# KiCad board GanJing 65 rev 2 hotswap.kicad_pcb
title: GanJing 65 rev 2 hotswap; date: 2021-11-19; rev: 2; company: Mingze Jin
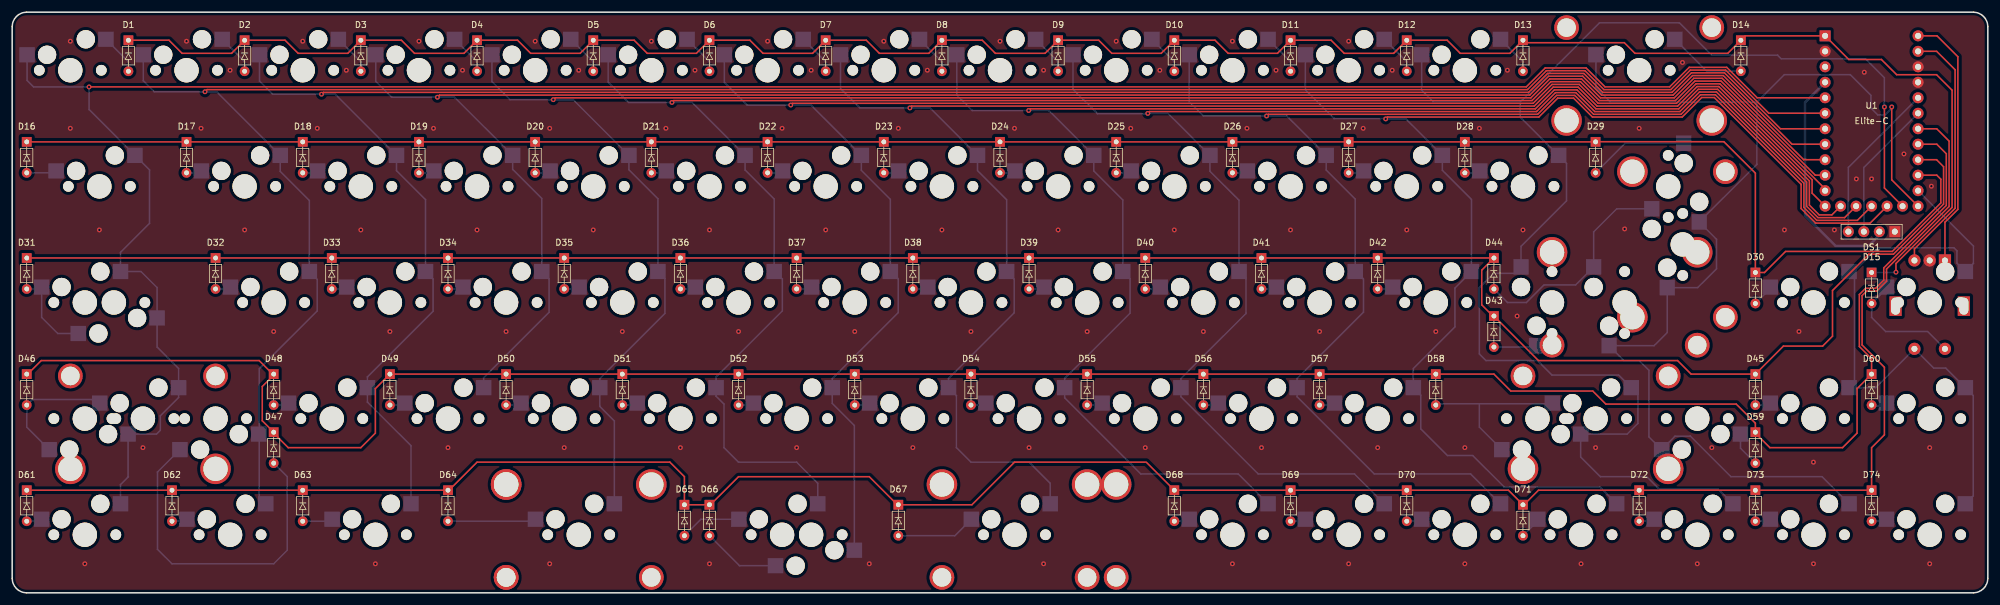
[diagram p0: board, top side]
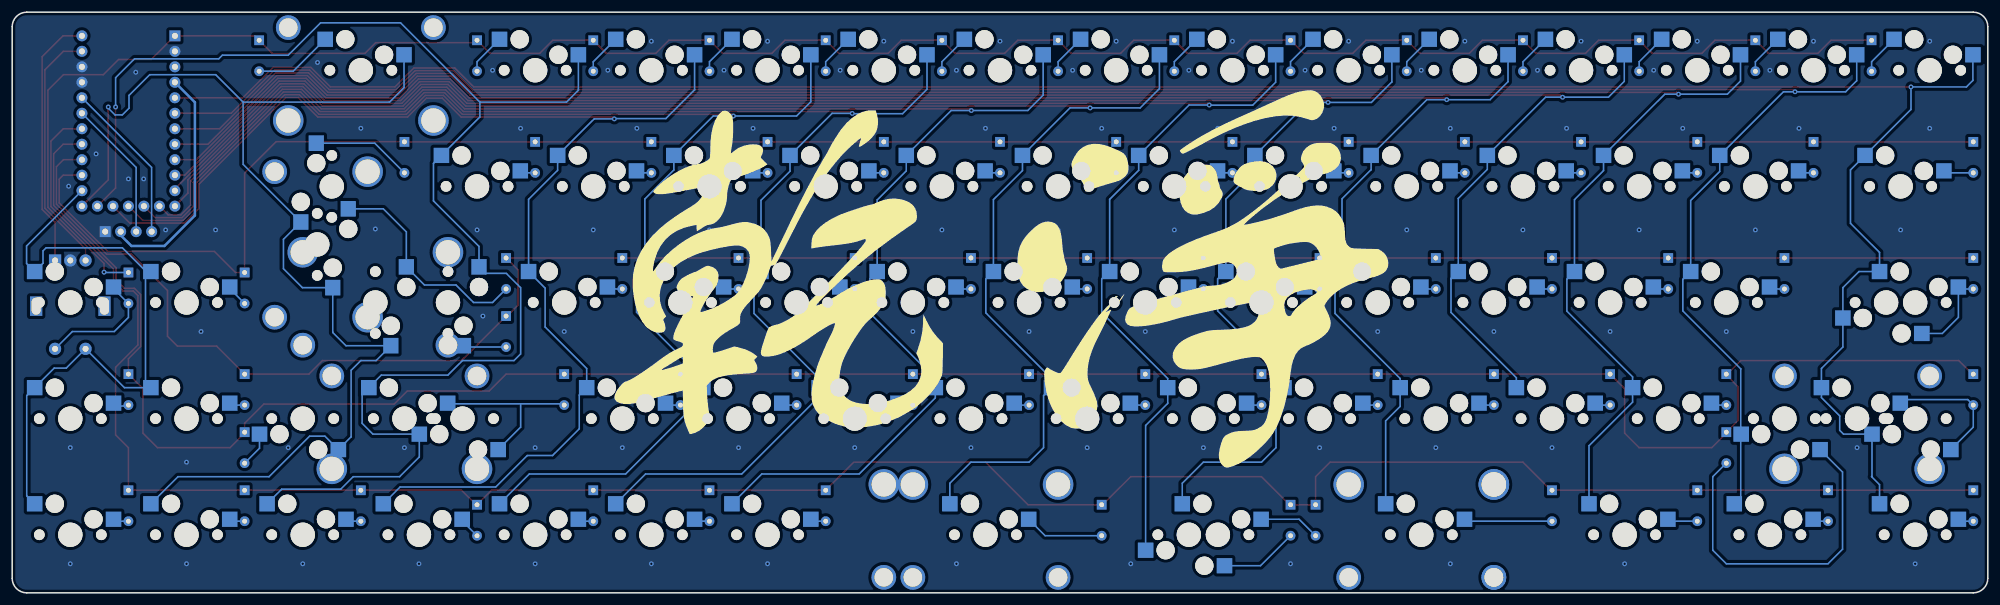
[diagram p1: board, bottom side, seen from below]

Outline 323.85 x 95.25 mm; copper layers: Top, Bottom. Coordinates in mm from the lower left corner of the outline.
Outline path: 0,92.87 0,2.38 arc(0.7,0.7) 2.38,0 321.47,0 arc(323.15,0.7) 323.85,2.38 323.85,92.87 arc(323.15,94.55) 321.47,95.25 2.38,95.25 arc(0.7,94.55) 0,92.87
Stack: Top 0.035mm / dielectric 1.51mm FR4 er 4.5 / Bottom 0.035mm

## Placement (name value [footprint] x y rotation side)
D1  -  [1N4148TR_diode]  19.05 88.11 0 top
D2  -  [1N4148TR_diode]  38.1 88.11 0 top
D3  -  [1N4148TR_diode]  57.15 88.11 0 top
D4  -  [1N4148TR_diode]  76.2 88.11 0 top
D5  -  [1N4148TR_diode]  95.25 88.11 0 top
D6  -  [1N4148TR_diode]  114.3 88.11 0 top
D7  -  [1N4148TR_diode]  133.35 88.11 0 top
D8  -  [1N4148TR_diode]  152.4 88.11 0 top
D9  -  [1N4148TR_diode]  171.45 88.11 0 top
D10  -  [1N4148TR_diode]  190.5 88.11 0 top
D11  -  [1N4148TR_diode]  209.55 88.11 0 top
D12  -  [1N4148TR_diode]  228.6 88.11 0 top
D13  -  [1N4148TR_diode]  247.65 88.11 0 top
D14  -  [1N4148TR_diode]  283.37 88.11 0 top
D15  -  [1N4148TR_diode]  304.8 50.01 0 top
D16  -  [1N4148TR_diode]  2.38 71.44 0 top
D17  -  [1N4148TR_diode]  28.57 71.44 0 top
D18  -  [1N4148TR_diode]  47.62 71.44 0 top
D19  -  [1N4148TR_diode]  66.68 71.44 0 top
D20  -  [1N4148TR_diode]  85.72 71.44 0 top
D21  -  [1N4148TR_diode]  104.78 71.44 0 top
D22  -  [1N4148TR_diode]  123.83 71.44 0 top
D23  -  [1N4148TR_diode]  142.88 71.44 0 top
D24  -  [1N4148TR_diode]  161.93 71.44 0 top
D25  -  [1N4148TR_diode]  180.97 71.44 0 top
D26  -  [1N4148TR_diode]  200.03 71.44 0 top
D27  -  [1N4148TR_diode]  219.08 71.44 0 top
D28  -  [1N4148TR_diode]  238.13 71.44 0 top
D29  -  [1N4148TR_diode]  259.56 71.44 0 top
D30  -  [1N4148TR_diode]  285.75 50.01 0 top
D31  -  [1N4148TR_diode]  2.38 52.39 0 top
D32  -  [1N4148TR_diode]  33.34 52.39 0 top
D33  -  [1N4148TR_diode]  52.39 52.39 0 top
D34  -  [1N4148TR_diode]  71.44 52.39 0 top
D35  -  [1N4148TR_diode]  90.49 52.39 0 top
D36  -  [1N4148TR_diode]  109.54 52.39 0 top
D37  -  [1N4148TR_diode]  128.59 52.39 0 top
D38  -  [1N4148TR_diode]  147.64 52.39 0 top
D39  -  [1N4148TR_diode]  166.69 52.39 0 top
D40  -  [1N4148TR_diode]  185.74 52.39 0 top
D41  -  [1N4148TR_diode]  204.79 52.39 0 top
D42  -  [1N4148TR_diode]  223.84 52.39 0 top
D43  -  [1N4148TR_diode]  242.89 42.86 0 top
D44  -  [1N4148TR_diode]  242.89 52.39 0 top
D45  -  [1N4148TR_diode]  285.75 33.34 0 top
D46  -  [1N4148TR_diode]  2.38 33.34 0 top
D47  -  [1N4148TR_diode]  42.86 23.81 0 top
D48  -  [1N4148TR_diode]  42.86 33.34 0 top
D49  -  [1N4148TR_diode]  61.91 33.34 0 top
D50  -  [1N4148TR_diode]  80.96 33.34 0 top
D51  -  [1N4148TR_diode]  100.01 33.34 0 top
D52  -  [1N4148TR_diode]  119.06 33.34 0 top
D53  -  [1N4148TR_diode]  138.11 33.34 0 top
D54  -  [1N4148TR_diode]  157.16 33.34 0 top
D55  -  [1N4148TR_diode]  176.21 33.34 0 top
D56  -  [1N4148TR_diode]  195.26 33.34 0 top
D57  -  [1N4148TR_diode]  214.31 33.34 0 top
D58  -  [1N4148TR_diode]  233.36 33.34 0 top
D59  -  [1N4148TR_diode]  285.75 23.81 0 top
D60  -  [1N4148TR_diode]  304.8 33.34 0 top
D61  -  [1N4148TR_diode]  2.38 14.29 0 top
D62  -  [1N4148TR_diode]  26.19 14.29 0 top
D63  -  [1N4148TR_diode]  47.62 14.29 0 top
D64  -  [1N4148TR_diode]  71.44 14.29 0 top
D65  -  [1N4148TR_diode]  110.19 11.91 0 top
D66  -  [1N4148TR_diode]  114.3 11.91 0 top
D67  -  [1N4148TR_diode]  145.26 11.91 0 top
D68  -  [1N4148TR_diode]  190.5 14.29 0 top
D69  -  [1N4148TR_diode]  209.55 14.29 0 top
D70  -  [1N4148TR_diode]  228.6 14.29 0 top
D71  -  [1N4148TR_diode]  247.65 11.91 0 top
D72  -  [1N4148TR_diode]  266.7 14.29 0 top
D73  -  [1N4148TR_diode]  285.75 14.29 0 top
D74  -  [1N4148TR_diode]  304.8 14.29 0 top
DS1  -  [SSD1306_128x64_OLED]  304.8 71.2 0 top
MX1  MX_1u_no_LED  [MX_1u_no_LED_hotswap_flipped_pins]  9.52 85.72 0 top
MX2  MX_1u_no_LED  [MX_1u_no_LED_hotswap_flipped_pins]  28.57 85.72 0 top
MX3  MX_1u_no_LED  [MX_1u_no_LED_hotswap_flipped_pins]  47.62 85.72 0 top
MX4  MX_1u_no_LED  [MX_1u_no_LED_hotswap_flipped_pins]  66.68 85.72 0 top
MX5  MX_1u_no_LED  [MX_1u_no_LED_hotswap_flipped_pins]  85.72 85.72 0 top
MX6  MX_1u_no_LED  [MX_1u_no_LED_hotswap_flipped_pins]  104.78 85.72 0 top
MX7  MX_1u_no_LED  [MX_1u_no_LED_hotswap_flipped_pins]  123.83 85.72 0 top
MX8  MX_1u_no_LED  [MX_1u_no_LED_hotswap_flipped_pins]  142.88 85.72 0 top
MX9  MX_1u_no_LED  [MX_1u_no_LED_hotswap_flipped_pins]  161.93 85.72 0 top
MX10  MX_1u_no_LED  [MX_1u_no_LED_hotswap_flipped_pins]  180.97 85.72 0 top
MX11  MX_1u_no_LED  [MX_1u_no_LED_hotswap_flipped_pins]  200.03 85.72 0 top
MX12  MX_1u_no_LED  [MX_1u_no_LED_hotswap_flipped_pins]  219.08 85.72 0 top
MX13  MX_1u_no_LED  [MX_1u_no_LED_hotswap_flipped_pins]  238.13 85.72 0 top
MX14  MX_2u_no_LED  [MX_2u_no_LED_hotswap]  266.7 85.72 0 top
MX15  MX_1u_no_LED  [MX_1u_no_LED_hotswap]  314.32 47.62 0 top
MX16  MX_1.5u_no_LED  [MX_1.5u_no_LED_hotswap]  14.29 66.67 0 top
MX17  MX_1u_no_LED  [MX_1u_no_LED_hotswap]  38.1 66.67 0 top
MX18  MX_1u_no_LED  [MX_1u_no_LED_hotswap]  57.15 66.67 0 top
MX19  MX_1u_no_LED  [MX_1u_no_LED_hotswap]  76.2 66.67 0 top
MX20  MX_1u_no_LED  [MX_1u_no_LED_hotswap]  95.25 66.67 0 top
MX21  MX_1u_no_LED  [MX_1u_no_LED_hotswap]  114.3 66.67 0 top
MX22  MX_1u_no_LED  [MX_1u_no_LED_hotswap]  133.35 66.67 0 top
MX23  MX_1u_no_LED  [MX_1u_no_LED_hotswap]  152.4 66.67 0 top
MX24  MX_1u_no_LED  [MX_1u_no_LED_hotswap]  171.45 66.67 0 top
MX25  MX_1u_no_LED  [MX_1u_no_LED_hotswap]  190.5 66.67 0 top
MX26  MX_1u_no_LED  [MX_1u_no_LED_hotswap]  209.55 66.67 0 top
MX27  MX_1u_no_LED  [MX_1u_no_LED_hotswap]  228.6 66.67 0 top
MX28  MX_1u_no_LED  [MX_1u_no_LED_hotswap]  247.65 66.67 0 top
MX29  MX_1.5u_no_LED  [MX_1.5u_no_LED_hotswap_rotated]  271.46 66.67 0 top
MX30  MX_1u_no_LED  [MX_1u_no_LED_hotswap]  295.27 47.62 0 top
MX31  MX_1.75u_no_LED  [MX_1.75u_no_LED_hotswap]  16.67 47.62 180 top
MX32  MX_1u_no_LED  [MX_1u_no_LED_hotswap]  42.86 47.62 0 top
MX33  MX_1u_no_LED  [MX_1u_no_LED_hotswap]  61.91 47.62 0 top
MX34  MX_1u_no_LED  [MX_1u_no_LED_hotswap]  80.96 47.62 0 top
MX35  MX_1u_no_LED  [MX_1u_no_LED_hotswap]  100.01 47.62 0 top
MX36  MX_1u_no_LED  [MX_1u_no_LED_hotswap]  119.06 47.62 0 top
MX37  MX_1u_no_LED  [MX_1u_no_LED_hotswap]  138.11 47.62 0 top
MX38  MX_1u_no_LED  [MX_1u_no_LED_hotswap]  157.16 47.62 0 top
MX39  MX_1u_no_LED  [MX_1u_no_LED_hotswap]  176.21 47.62 0 top
MX40  MX_1u_no_LED  [MX_1u_no_LED_hotswap]  195.26 47.62 0 top
MX41  MX_1u_no_LED  [MX_1u_no_LED_hotswap]  214.31 47.62 0 top
MX42  MX_1u_no_LED  [MX_1u_no_LED_hotswap]  233.36 47.62 0 top
MX43  MX_1u_no_LED  [MX_1u_no_LED_hotswap]  252.41 47.62 90 top
MX44  MX_2.25u_no_LED  [MX_2.25u_no_LED_hotswap_rotated_flipped_stabs]  264.32 47.62 0 top
MX45  MX_1u_no_LED  [MX_1u_no_LED_hotswap]  295.27 28.57 0 top
MX46  MX_2.25u_no_LED  [MX_2.25u_no_LED_hotswap]  21.43 28.57 0 top
MX47  MX_1u_no_LED  [MX_1u_no_LED_hotswap_flipped_pins]  33.34 28.57 180 top
MX48  MX_1u_no_LED  [MX_1u_no_LED_hotswap]  52.39 28.57 0 top
MX49  MX_1u_no_LED  [MX_1u_no_LED_hotswap]  71.44 28.57 0 top
MX50  MX_1u_no_LED  [MX_1u_no_LED_hotswap]  90.49 28.57 0 top
MX51  MX_1u_no_LED  [MX_1u_no_LED_hotswap]  109.54 28.57 0 top
MX52  MX_1u_no_LED  [MX_1u_no_LED_hotswap]  128.59 28.57 0 top
MX53  MX_1u_no_LED  [MX_1u_no_LED_hotswap]  147.64 28.57 0 top
MX54  MX_1u_no_LED  [MX_1u_no_LED_hotswap]  166.69 28.57 0 top
MX55  MX_1u_no_LED  [MX_1u_no_LED_hotswap]  185.74 28.57 0 top
MX56  MX_1u_no_LED  [MX_1u_no_LED_hotswap]  204.79 28.57 0 top
MX57  MX_1u_no_LED  [MX_1u_no_LED_hotswap]  223.84 28.57 0 top
MX58  MX_2.75u_no_LED  [MX_2.75u_no_LED_hotswap]  259.56 28.57 0 top
MX59  MX_1u_no_LED  [MX_1u_no_LED_hotswap]  276.22 28.57 180 top
MX60  MX_1u_no_LED  [MX_1u_no_LED_hotswap]  314.32 28.57 0 top
MX61  MX_1.25u_no_LED  [MX_1.25u_no_LED_hotswap]  11.91 9.53 0 top
MX62  MX_1.25u_no_LED  [MX_1.25u_no_LED_hotswap]  35.72 9.53 0 top
MX63  MX_1.25u_no_LED  [MX_1.25u_no_LED_hotswap]  59.53 9.53 0 top
MX64  MX_2.25u_no_LED_flipped_stabs  [MX_2.25u_no_LED_hotswap_flipped_stabs]  92.87 9.53 0 top
MX65  MX_1.25u_no_LED  [MX_1.25u_no_LED_hotswap]  126.21 9.53 0 top
MX66  MX_6.25u_no_LED_flipped_stabs  [MX_6.25u_no_LED_hotswap_flipped_stabs]  130.97 9.53 0 top
MX67  MX_2.75u_no_LED_flipped_stabs  [MX_2.75u_no_LED_hotswap_flipped_stabs]  164.31 9.53 0 top
MX68  MX_1u_no_LED  [MX_1u_no_LED_hotswap]  200.03 9.53 0 top
MX69  MX_1u_no_LED  [MX_1u_no_LED_hotswap]  219.08 9.53 0 top
MX70  MX_1u_no_LED  [MX_1u_no_LED_hotswap]  238.13 9.53 0 top
MX71  MX_1u_no_LED  [MX_1u_no_LED_hotswap]  257.17 9.53 0 top
MX72  MX_1u_no_LED  [MX_1u_no_LED_hotswap]  276.22 9.53 0 top
MX73  MX_1u_no_LED  [MX_1u_no_LED_hotswap]  295.27 9.53 0 top
MX74  MX_1u_no_LED  [MX_1u_no_LED_hotswap]  314.32 9.53 0 top
MX75  MX_1.75u_no_LED  [MX_1.75u_stepped_no_LED_hotswap]  11.91 47.62 0 top
MX76  MX_ISO_no_LED_flipped_stabs  [MX_ISO_no_LED_hotswap_flipped_stabs]  273.84 57.15 0 top
MX77  MX_1.25u_no_LED  [MX_1.25u_no_LED_hotswap#2]  11.91 28.57 180 top
MX78  MX_1.75u_no_LED  [MX_1.75u_no_LED_hotswap]  250.03 28.57 180 top
REF***  -  [Logo]  161.93 47.62 0 top
SW1  -  [EC11_rotary_encoder]  314.32 47.03 180 top
U1  -  [Elite-C]  304.8 77.4 0 top

## Library data of the parts
MX1-MX13 MX15 MX17-MX28 MX30 MX32-MX43 MX45 MX47-MX57 MX59 MX60 MX68-MX74 = -: Size: 1u
MX14 = -: Size: 2u
MX16 MX29 = -: Size: 1.5u
MX31 MX75 MX78 = -: Size: 1.75u
MX44 MX46 MX64 = -: Size: 2.25u
MX58 MX67 = -: Size: 2.75u
MX61-MX63 MX65 MX77 = -: Size: 1.25u
MX66 = -: Size: 6.25u
MX76 = -: Size: ISO

## Footprints (pads in the part's own frame, mm; a bottom-side part is the same pattern mirrored in y, then rotated)
1N4148TR_diode
  rect 1.6x1.6 hole 0.8: 1(0,2.54)
  oval 1.6x1.6 hole 0.8: 2(0,-2.54)
EC11_rotary_encoder
  rect 2x3.2 hole 1.5x2.8 unplated: (-5.6,0) (5.6,0)
  rect 2x2 hole 1: A(-2.5,-7.5)
  round 2 hole 1: B(2.5,-7.5) C(0,-7.5) S1(2.5,7) S2(-2.5,7)
Elite-C
  rect 1.8x1.8 hole 1: 1(-7.62,13.97)
  round 1.8 hole 1: 2(-7.62,11.43) 3(-7.62,8.89) 4(-7.62,6.35) 5(-7.62,3.81) 6(-7.62,1.27) 7(-7.62,-1.27) 8(-7.62,-3.81) 9(-7.62,-6.35) 10(-7.62,-8.89) 11(-7.62,-11.43) 12(-7.62,-13.97) 13(7.62,-13.97) 14(7.62,-11.43) 15(7.62,-8.89) 16(7.62,-6.35) 17(7.62,-3.81) 18(7.62,-1.27) 19(7.62,1.27) 20(7.62,3.81) 21(7.62,6.35) 22(7.62,8.89) 23(7.62,11.43) 24(7.62,13.97) 25(-5.08,-13.97) 26(-2.54,-13.97) 27(0,-13.97) 28(2.54,-13.97) 29(5.08,-13.97)
MX_1.5u_no_LED_hotswap
  round 1.75 hole 1.75 unplated: (-5.08,0) (5.08,0)
  round 3 hole 3 unplated: (-3.81,2.54) (2.54,5.08)
  round 3.988 hole 3.988 unplated: (0,0)
  rect 2.55x2.5 smd far side: 1(5.842,5.08) 2(-7.085,2.54)
MX_1.5u_no_LED_hotswap_rotated
  round 1.75 hole 1.75 unplated: (0,5.08) (0,-5.08)
  round 3.988 hole 3.988 unplated: (0,0)
  round 3 hole 3 unplated: (2.54,3.81) (5.08,-2.54)
  rect 2.5x2.55 smd far side: 1(5.08,-5.842) 2(2.54,7.085)
MX_1.25u_no_LED_hotswap
  round 1.75 hole 1.75 unplated: (-5.08,0) (5.08,0)
  round 3 hole 3 unplated: (-3.81,2.54) (2.54,5.08)
  round 3.988 hole 3.988 unplated: (0,0)
  rect 2.55x2.5 smd far side: 1(5.842,5.08) 2(-7.085,2.54)
MX_1.25u_no_LED_hotswap#2
  round 1.75 hole 1.75 unplated: (-5.08,0) (5.08,0)
  round 3 hole 3 unplated: (-3.81,2.54) (2.54,5.08)
  round 3.988 hole 3.988 unplated: (0,0)
  rect 2.55x2.5 smd far side: 1(-7.085,2.54) 2(5.842,5.08)
MX_1.75u_no_LED_hotswap
  round 1.75 hole 1.75 unplated: (-5.08,0) (5.08,0)
  round 3 hole 3 unplated: (-3.81,2.54) (2.54,5.08)
  round 3.988 hole 3.988 unplated: (0,0)
  rect 2.55x2.5 smd far side: 1(-7.085,2.54) 2(5.842,5.08)
MX_1.75u_stepped_no_LED_hotswap
  round 1.75 hole 1.75 unplated: (-5.08,0) (5.08,0)
  round 3 hole 3 unplated: (-3.81,2.54) (2.54,5.08)
  round 3.988 hole 3.988 unplated: (0,0)
  rect 2.55x2.5 smd far side: 1(5.842,5.08) 2(-7.085,2.54)
MX_1u_no_LED_hotswap
  round 1.75 hole 1.75 unplated: (-5.08,0) (5.08,0)
  round 3 hole 3 unplated: (-3.81,2.54) (2.54,5.08)
  round 3.988 hole 3.988 unplated: (0,0)
  rect 2.55x2.5 smd far side: 1(5.842,5.08) 2(-7.085,2.54)
MX_1u_no_LED_hotswap_flipped_pins
  round 1.75 hole 1.75 unplated: (-5.08,0) (5.08,0)
  round 3 hole 3 unplated: (-3.81,2.54) (2.54,5.08)
  round 3.988 hole 3.988 unplated: (0,0)
  rect 2.55x2.5 smd far side: 1(-7.085,2.54) 2(5.842,5.08)
MX_2.25u_no_LED_hotswap
  round 4.05 hole 3.05 unplated: (-11.9,7) (11.9,7)
  round 5 hole 4 unplated: (-11.9,-8.24) (11.9,-8.24)
  round 1.75 hole 1.75 unplated: (-5.08,0) (5.08,0)
  round 3 hole 3 unplated: (-3.81,2.54) (2.54,5.08)
  round 3.988 hole 3.988 unplated: (0,0)
  rect 2.55x2.5 smd far side: 1(5.842,5.08) 2(-7.085,2.54)
MX_2.25u_no_LED_hotswap_flipped_stabs
  round 5 hole 4 unplated: (-11.9,8.24) (11.9,8.24)
  round 4.05 hole 3.05 unplated: (-11.9,-7) (11.9,-7)
  round 1.75 hole 1.75 unplated: (-5.08,0) (5.08,0)
  round 3 hole 3 unplated: (-3.81,2.54) (2.54,5.08)
  round 3.988 hole 3.988 unplated: (0,0)
  rect 2.55x2.5 smd far side: 1(5.842,5.08) 2(-7.085,2.54)
MX_2.25u_no_LED_hotswap_rotated_flipped_stabs
  round 5 hole 4 unplated: (-11.9,8.24) (11.9,8.24)
  round 4.05 hole 3.05 unplated: (-11.9,-7) (11.9,-7)
  round 3 hole 3 unplated: (-5.08,2.54) (-2.54,-3.81)
  round 1.75 hole 1.75 unplated: (0,5.08) (0,-5.08)
  round 3.988 hole 3.988 unplated: (0,0)
  rect 2.5x2.55 smd far side: 1(-2.54,-7.085) 2(-5.08,5.842)
MX_2.75u_no_LED_hotswap
  round 4.05 hole 3.05 unplated: (-11.9,7) (11.9,7)
  round 5 hole 4 unplated: (-11.9,-8.24) (11.9,-8.24)
  round 1.75 hole 1.75 unplated: (-5.08,0) (5.08,0)
  round 3 hole 3 unplated: (-3.81,2.54) (2.54,5.08)
  round 3.988 hole 3.988 unplated: (0,0)
  rect 2.55x2.5 smd far side: 1(5.842,5.08) 2(-7.085,2.54)
MX_2.75u_no_LED_hotswap_flipped_stabs
  round 5 hole 4 unplated: (-11.9,8.24) (11.9,8.24)
  round 4.05 hole 3.05 unplated: (-11.9,-7) (11.9,-7)
  round 1.75 hole 1.75 unplated: (-5.08,0) (5.08,0)
  round 3 hole 3 unplated: (-3.81,2.54) (2.54,5.08)
  round 3.988 hole 3.988 unplated: (0,0)
  rect 2.55x2.5 smd far side: 1(5.842,5.08) 2(-7.085,2.54)
MX_2u_no_LED_hotswap
  round 4.05 hole 3.05 unplated: (-11.9,7) (11.9,7)
  round 5 hole 4 unplated: (-11.9,-8.24) (11.9,-8.24)
  round 1.75 hole 1.75 unplated: (-5.08,0) (5.08,0)
  round 3 hole 3 unplated: (-3.81,2.54) (2.54,5.08)
  round 3.988 hole 3.988 unplated: (0,0)
  rect 2.55x2.5 smd far side: 1(-7.085,2.54) 2(5.842,5.08)
MX_6.25u_no_LED_hotswap_flipped_stabs
  round 5 hole 4 unplated: (-50,8.255) (50,8.255)
  round 4.05 hole 3.05 unplated: (-50,-6.985) (50,-6.985)
  round 1.75 hole 1.75 unplated: (-5.08,0) (5.08,0)
  round 3 hole 3 unplated: (-2.54,-5.08) (3.81,-2.54)
  round 3.988 hole 3.988 unplated: (0,0)
  rect 2.55x2.5 smd far side: 1(7.085,-2.54) 2(-5.842,-5.08)
MX_ISO_no_LED_hotswap_flipped_stabs
  round 5 hole 4 unplated: (-8.255,11.938) (-8.255,-11.938)
  round 3 hole 3 unplated: (-5.08,2.54) (-2.54,-3.81)
  round 1.75 hole 1.75 unplated: (0,5.08) (0,-5.08)
  round 3.988 hole 3.988 unplated: (0,0)
  round 4.05 hole 3.05 unplated: (6.985,11.938) (6.985,-11.938)
  rect 2.5x2.55 smd far side: 1(-2.54,-7.085) 2(-5.08,5.842)
SSD1306_128x64_OLED
  rect 1.8x1.8 hole 1: 1(3.81,-11.95)
  round 1.8 hole 1: 2(1.27,-11.95) 3(-1.27,-11.95) 4(-3.81,-11.95)

## Nets
GND: DS1.1 SW1.C U1.2 U1.21 U1.22
VCC: DS1.2 U1.4
col_1: MX1.1 MX16.1 MX31.1 MX46.1 MX61.1 MX75.1 MX77.1 U1.5
col_2: MX2.1 MX17.1 MX32.1 MX47.1 MX62.1 U1.6
col_3: MX3.1 MX18.1 MX33.1 MX48.1 MX63.1 U1.7
col_4: MX4.1 MX19.1 MX34.1 MX49.1 U1.8
col_5: MX5.1 MX20.1 MX35.1 MX50.1 MX64.1 U1.9
col_6: MX6.1 MX21.1 MX36.1 MX51.1 MX65.1 U1.10
col_7: MX7.1 MX22.1 MX37.1 MX52.1 MX66.1 U1.11
col_8: MX8.1 MX23.1 MX38.1 MX53.1 MX67.1 U1.12
col_9: MX9.1 MX24.1 MX39.1 MX54.1 MX68.1 U1.25
col_10: MX10.1 MX25.1 MX40.1 MX55.1 MX69.1 U1.26
col_11: MX11.1 MX26.1 MX41.1 MX56.1 MX70.1 U1.27
col_12: MX12.1 MX27.1 MX42.1 MX57.1 MX71.1 U1.28
col_13: MX13.1 MX28.1 MX43.1 MX58.1 MX72.1 MX78.1 U1.29
col_14: MX14.1 MX29.1 MX44.1 MX59.1 MX73.1 MX76.1 U1.13
col_15: MX15.1 MX30.1 MX45.1 MX60.1 MX74.1 SW1.S1 U1.14
rotory_1: SW1.A U1.24
rotory_2: SW1.B U1.23
row_1: D1.1 D2.1 D3.1 D4.1 D5.1 D6.1 D7.1 D8.1 D9.1 D10.1 D11.1 D12.1 D13.1 D14.1 D15.1 U1.1
row_2: D16.1 D17.1 D18.1 D19.1 D20.1 D21.1 D22.1 D23.1 D24.1 D25.1 D26.1 D27.1 D28.1 D29.1 D30.1 U1.15
row_3: D31.1 D32.1 D33.1 D34.1 D35.1 D36.1 D37.1 D38.1 D39.1 D40.1 D41.1 D42.1 D43.1 D44.1 D45.1 U1.16
row_4: D46.1 D47.1 D48.1 D49.1 D50.1 D51.1 D52.1 D53.1 D54.1 D55.1 D56.1 D57.1 D58.1 D59.1 D60.1 U1.17
row_5: D61.1 D62.1 D63.1 D64.1 D65.1 D66.1 D67.1 D68.1 D69.1 D70.1 D71.1 D72.1 D73.1 D74.1 U1.18
S2: D15.2 MX15.2 SW1.S2
SCL: DS1.3 U1.19
SDA: DS1.4 U1.20
Net-(D1-Pad2): D1.2 MX1.2
Net-(D2-Pad2): D2.2 MX2.2
Net-(D3-Pad2): D3.2 MX3.2
Net-(D4-Pad2): D4.2 MX4.2
Net-(D5-Pad2): D5.2 MX5.2
Net-(D6-Pad2): D6.2 MX6.2
Net-(D7-Pad2): D7.2 MX7.2
Net-(D8-Pad2): D8.2 MX8.2
Net-(D9-Pad2): D9.2 MX9.2
Net-(D10-Pad2): D10.2 MX10.2
Net-(D11-Pad2): D11.2 MX11.2
Net-(D12-Pad2): D12.2 MX12.2
Net-(D13-Pad2): D13.2 MX13.2
Net-(D14-Pad2): D14.2 MX14.2
Net-(D16-Pad2): D16.2 MX16.2
Net-(D17-Pad2): D17.2 MX17.2
Net-(D18-Pad2): D18.2 MX18.2
Net-(D19-Pad2): D19.2 MX19.2
Net-(D20-Pad2): D20.2 MX20.2
Net-(D21-Pad2): D21.2 MX21.2
Net-(D22-Pad2): D22.2 MX22.2
Net-(D23-Pad2): D23.2 MX23.2
Net-(D24-Pad2): D24.2 MX24.2
Net-(D25-Pad2): D25.2 MX25.2
Net-(D26-Pad2): D26.2 MX26.2
Net-(D27-Pad2): D27.2 MX27.2
Net-(D28-Pad2): D28.2 MX28.2
Net-(D29-Pad2): D29.2 MX29.2
Net-(D30-Pad2): D30.2 MX30.2
Net-(D31-Pad2): D31.2 MX31.2 MX75.2
Net-(D32-Pad2): D32.2 MX32.2
Net-(D33-Pad2): D33.2 MX33.2
Net-(D34-Pad2): D34.2 MX34.2
Net-(D35-Pad2): D35.2 MX35.2
Net-(D36-Pad2): D36.2 MX36.2
Net-(D37-Pad2): D37.2 MX37.2
Net-(D38-Pad2): D38.2 MX38.2
Net-(D39-Pad2): D39.2 MX39.2
Net-(D40-Pad2): D40.2 MX40.2
Net-(D41-Pad2): D41.2 MX41.2
Net-(D42-Pad2): D42.2 MX42.2
Net-(D43-Pad2): D43.2 MX43.2
Net-(D44-Pad2): D44.2 MX44.2 MX76.2
Net-(D45-Pad2): D45.2 MX45.2
Net-(D46-Pad2): D46.2 MX46.2 MX77.2
Net-(D47-Pad2): D47.2 MX47.2
Net-(D48-Pad2): D48.2 MX48.2
Net-(D49-Pad2): D49.2 MX49.2
Net-(D50-Pad2): D50.2 MX50.2
Net-(D51-Pad2): D51.2 MX51.2
Net-(D52-Pad2): D52.2 MX52.2
Net-(D53-Pad2): D53.2 MX53.2
Net-(D54-Pad2): D54.2 MX54.2
Net-(D55-Pad2): D55.2 MX55.2
Net-(D56-Pad2): D56.2 MX56.2
Net-(D57-Pad2): D57.2 MX57.2
Net-(D58-Pad2): D58.2 MX58.2 MX78.2
Net-(D59-Pad2): D59.2 MX59.2
Net-(D60-Pad2): D60.2 MX60.2
Net-(D61-Pad2): D61.2 MX61.2
Net-(D62-Pad2): D62.2 MX62.2
Net-(D63-Pad2): D63.2 MX63.2
Net-(D64-Pad2): D64.2 MX64.2
Net-(D65-Pad2): D65.2 MX65.2
Net-(D66-Pad2): D66.2 MX66.2
Net-(D67-Pad2): D67.2 MX67.2
Net-(D68-Pad2): D68.2 MX68.2
Net-(D69-Pad2): D69.2 MX69.2
Net-(D70-Pad2): D70.2 MX70.2
Net-(D71-Pad2): D71.2 MX71.2
Net-(D72-Pad2): D72.2 MX72.2
Net-(D73-Pad2): D73.2 MX73.2
Net-(D74-Pad2): D74.2 MX74.2

Pads without a net: U1 3

## Via types
v1: diameter 0.8, hole 0.4, Top to Bottom, 116 vias

## Routing (per net, layer and track width the routed paths; a pad name or vN(x,y) marks a point on that pad's centre or on a via; arc(x,y) is an arc through that point)
GND:
  vias: v1(9.52,90.49) v1(9.52,76.2) v1(11.91,4.76) v1(14.29,59.53) v1(21.43,23.81) v1(28.57,90.49) v1(30.96,76.2) v1(35.72,85.72) v1(38.1,59.53) v1(42.86,42.86) v1(47.62,90.49) v1(50.01,76.2) v1(54.77,85.72) v1(57.15,59.53) v1(59.53,4.76) v1(61.91,42.86) v1(66.68,90.49) v1(69.06,76.2) v1(71.44,23.81) v1(73.82,85.72) v1(76.2,59.53) v1(80.96,42.86) v1(85.72,90.49) v1(88.11,76.2) v1(88.11,4.76) v1(90.49,23.81) v1(92.87,85.72) v1(95.25,59.53) v1(100.01,42.86) v1(104.78,90.49) v1(107.16,76.2) v1(109.54,23.81) v1(111.92,85.72) v1(114.3,59.53) v1(114.3,4.76) v1(119.06,42.86) v1(123.83,90.49) v1(126.21,76.2) v1(128.59,23.81) v1(130.97,85.72) v1(133.35,59.53) v1(138.11,42.86) v1(140.49,4.76) v1(142.88,90.49) v1(145.26,76.2) v1(147.64,23.81) v1(150.02,85.72) v1(152.4,59.53) v1(157.16,42.86) v1(161.93,90.49) v1(164.31,76.2) v1(166.69,23.81) v1(169.07,85.72) v1(169.07,4.76) v1(171.45,59.53) v1(176.21,42.86) v1(180.97,90.49) v1(183.36,76.2) v1(185.74,23.81) v1(188.12,85.72) v1(190.5,59.53) v1(195.26,42.86) v1(200.03,90.49) v1(200.03,4.76) v1(202.41,76.2) v1(204.79,23.81) v1(207.17,85.72) v1(209.55,59.53) v1(214.31,42.86) v1(219.08,90.49) v1(219.08,4.76) v1(221.46,76.2) v1(223.84,23.81) v1(226.22,85.72) v1(228.6,59.53) v1(233.36,42.86) v1(238.13,23.81) v1(238.13,4.76) v1(240.51,76.2) v1(245.1,85.72) v1(246.69,45.4) v1(247.65,59.53) v1(257.17,4.76) v1(259.56,23.81) v1(264.32,59.69) v1(266.7,76.2) v1(273.8,87) v1(276.22,4.76) v1(278.61,23.81) v1(290.51,59.53) v1(292.89,42.86) v1(295.27,21.43) v1(295.27,4.76) v1(298.7,59.53) v1(302.3,67.9) v1(303.6,85.4) v1(304.8,67.9) v1(310.1,72) v1(314.32,23.81) v1(314.32,4.76) v1(314.6,66.7)
VCC: length 38.2
  Bottom w0.4: 306.07,58.67 304.3,56.9 298.9,56.9 293.9,61.9 293.9,80.47 U1.4
col_1: length 392.5
  Top w0.25: U1.5 286.04,81.21 281.05,86.2 274.9,86.2 271.7,83 261.1,83 258,86.1 251.3,86.1 248.2,83 12.61,83 v1(12.6,82.99)
  Bottom w0.25: MX1.1 2.44,84.05 3.5,82.99 v1(12.6,82.99) 12.6,79.28 MX16.1 22.51,69.37 22.51,60.61 17.75,55.85 MX75.1 21.11,52.71 23.75,50.06 MX31.1 23.75,40.32 27.27,36.8 MX46.1 27.27,32.03 24.28,29.03 24.28,26.66 23.65,26.03 MX77.1 18.99,19.11 19.05,19.05 17.75,17.75 17.75,14.6
col_2: length 366.9
  Top w0.25: U1.6 287.95,78.67 280.87,85.75 275.09,85.75 271.89,82.55 260.91,82.55 257.81,85.65 251.49,85.65 248.39,82.55 31.95,82.55 v1(31.6,82.2)
  Bottom w0.25: 40.5,15.67 40.5,36.75 50,46.25 50,51.41 MX32.1 48.7,64.36 43.94,69.12 MX17.1 33.5,82.2 v1(31.6,82.2) 23.29,82.2 21.49,84 MX2.1
col_3: length 353.2
  Top w0.25: v1(50.7,81.8) 51,82.1 248.57,82.1 251.67,85.2 257.63,85.2 260.73,82.1 272.07,82.1 275.27,85.3 280.68,85.3 289.85,76.13 U1.7
  Bottom w0.25: 65.37,14.6 65.37,24.13 58.23,31.27 MX48.1 58.23,35.43 69,46.2 69,51.46 MX33.1 67.75,64.5 62.99,69.26 MX18.1 52.95,81.8 v1(50.7,81.8) 42.69,81.8 40.54,83.95 MX3.1
col_4: length 313
  Top w0.25: U1.8 291.76,73.59 280.5,84.85 275.46,84.85 272.26,81.65 260.54,81.65 257.44,84.75 251.86,84.75 248.76,81.65 70.05,81.65 v1(69.7,81.3)
  Bottom w0.25: MX4.1 59.59,83.9 62.19,81.3 v1(69.7,81.3) 72.5,81.3 MX19.1 82.04,69.46 86.8,64.7 MX34.1 88,51.51 88,46 77.28,35.28 MX49.1
col_5: length 314.9
  Top w0.25: v1(88.7,80.9) 89,81.2 248.95,81.2 252.05,84.3 257.25,84.3 260.35,81.2 272.45,81.2 275.65,84.4 280.31,84.4 293.66,71.05 U1.9
  Bottom w0.25: 98.71,14.6 98.71,28.19 96.33,30.58 MX50.1 96.33,35.16 107,45.83 107,51.56 MX35.1 105.85,64.65 101.09,69.41 MX20.1 91.95,80.9 v1(88.7,80.9) 81.59,80.9 78.64,83.85 MX5.1
col_6: length 308
  Top w0.25: U1.10 295.57,68.51 280.13,83.95 275.83,83.95 272.63,80.75 260.17,80.75 257.07,83.85 252.23,83.85 249.13,80.75 108.45,80.75 v1(108.15,80.45)
  Bottom w0.25: MX6.1 97.69,83.8 101.05,80.45 v1(108.15,80.45) 111.45,80.45 MX21.1 120.14,69.36 124.9,64.6 MX36.1 ; 132.05,14.6 132.05,17.97 128.59,21.43 119.06,21.43 116.68,23.81 116.68,30.96 115.38,32.26 MX51.1 115.38,35.38 126.25,46.25 126.25,51.5 125.05,52.71
col_7: length 285.9
  Top w0.25: 297.18,66.26 279.94,83.5 276.02,83.5 272.82,80.3 259.98,80.3 256.88,83.4 252.42,83.4 249.32,80.3 127.9,80.3 v1(127.62,80.02)
  Bottom w0.25: MX37.1 143.95,64.55 139.19,69.31 MX22.1 130.92,80.02 v1(127.62,80.02) 127.6,80 120.49,80 116.74,83.75 MX7.1 ; MX66.1 138.05,27.45 134.43,31.07 MX52.1 134.43,35.16 145.25,45.98 145.25,51.5 144.05,52.71
col_8: length 272.6
  Top w0.25: v1(147.15,79.55) 147.45,79.85 249.5,79.85 252.6,82.95 256.7,82.95 259.8,79.85 273,79.85 276.2,83.05 279.75,83.05 295.05,67.75 295.05,65.56 U1.12
  Bottom w0.25: 170.15,14.6 170.15,17.97 166.69,21.43 157.16,21.43 154.78,23.81 154.78,32.35 MX53.1 153.48,35.16 164.25,45.93 164.25,51.46 MX38.1 163,64.5 158.24,69.26 MX23.1 150.45,79.55 v1(147.15,79.55) 138.95,79.55 135.79,82.7 MX8.1
col_9: length 268.9
  Top w0.25: U1.25 298.29,62 296.2,62 294.6,63.6 294.6,67.57 279.57,82.6 276.39,82.6 273.19,79.4 259.61,79.4 256.51,82.5 252.79,82.5 249.69,79.4 166.9,79.4 v1(166.62,79.12)
  Bottom w0.25: MX9.1 154.84,81.65 157.37,79.12 v1(166.62,79.12) 169.92,79.12 MX24.1 177.29,69.21 182.05,64.45 MX39.1 183.25,51.51 183.25,45.88 172.53,35.16 MX54.1 172.53,31.97 185,19.5 200.97,19.5 205.87,14.6
col_10: length 250
  Top w0.25: v1(186.15,78.65) 186.45,78.95 249.88,78.95 252.98,82.05 256.32,82.05 259.42,78.95 273.38,78.95 276.58,82.15 279.38,82.15 294.15,67.38 294.15,63.41 296.01,61.55 300.38,61.55 U1.26
  Bottom w0.25: 202.25,51.75 202.25,45.83 191.58,35.16 MX55.1 191.58,32.17 204.25,19.5 220.02,19.5 224.92,14.6 ; MX10.1 173.89,82.6 177.89,78.6 186.1,78.6 v1(186.15,78.65) 189.45,78.65 MX25.1 196.34,69.16 201.1,64.4 MX40.1
col_11: length 236
  Top w0.25: v1(205.62,78.22) 205.9,78.5 250.06,78.5 253.16,81.6 256.14,81.6 259.24,78.5 273.56,78.5 276.76,81.7 279.2,81.7 293.7,67.2 293.7,63.23 295.83,61.1 302.47,61.1 U1.27
  Bottom w0.25: 220.29,52.71 221.5,51.5 221.5,46.03 210.63,35.16 MX56.1 210.63,32.16 223.28,19.5 239.07,19.5 243.97,14.6 ; MX11.1 192.94,80.55 195.27,78.22 v1(205.62,78.22) 208.92,78.22 MX26.1 215.39,69.36 220.15,64.6 MX41.1
col_12: length 219.4
  Top w0.25: v1(225.15,77.75) 225.45,78.05 250.25,78.05 253.35,81.15 255.95,81.15 259.05,78.05 273.75,78.05 276.95,81.25 279.01,81.25 293.25,67.01 293.25,63.04 295.64,60.65 304.56,60.65 U1.28
  Bottom w0.25: MX12.1 211.99,82.5 216.69,77.8 225.09,77.8 v1(225.15,77.75) 228.45,77.75 MX27.1 234.44,69.31 239.2,64.55 MX42.1 236.49,49.99 236.49,43.61 229.68,36.8 MX57.1 230.89,32.44 230.89,26.9 235.27,22.52 239.42,22.52 244.57,17.37 260.25,17.37 263.02,14.6
col_13: length 238.7
  Top w0.25: U1.29 306.9,66.41 v1(306.9,79.7)
  Bottom w0.25: 247.19,80.5 232.99,80.5 231.04,82.45 MX13.1 ; 247.19,80.5 247.19,78.06 MX28.1 254.79,70.45 254.79,64.29 247.33,56.83 MX43.1 ; 247.19,80.5 260.19,93.5 273.3,93.5 278.6,88.2 289.39,88.2 289.99,87.6 303.8,87.6 306.9,84.5 v1(306.9,79.7) ; 266.49,32.56 266.49,27.8 264.73,26.03 MX78.1 257.12,22.28 260.34,19.05 267.94,19.05 269.99,17 279.67,17 282.07,14.6 ; 246.27,52.4 242.85,52.4 240.51,50.06 240.51,39.19 241.59,38.1 250.03,38.1 252.41,35.72 263.33,35.72 MX58.1
col_14: length 197.3
  Top w0.25: v1(308.1,79.7) 308.1,67.75 U1.13
  Bottom w0.25: 261.78,40.51 264.19,38.1 266.7,38.1 268.29,36.51 268.29,25.58 270.38,23.5 272.59,25.7 275.09,25.7 281.74,19.05 296.67,19.05 301.12,14.6 ; MX44.1 269.14,40.54 271.3,42.7 MX76.1 276.28,50.06 279.38,53.16 279.38,57.99 MX29.1 285.99,70.28 285.99,80.5 ; 285.99,80.5 261.99,80.5 259.61,82.88 MX14.1 ; 285.99,80.5 290.49,85 301.3,85 304.7,81.6 304.7,79.5 305.8,78.4 307,78.4 308.1,79.5 v1(308.1,79.7)
col_15: length 102
  Bottom w0.25: 320.17,14.6 321.47,15.91 321.47,32.35 MX60.1 316.96,36.86 314.99,36.86 SW1.S1 305.45,33.66 MX45.1 ; 302,34.54 302,51.82 ; U1.14 321.49,56.9 321.49,54.03 MX15.1 318.79,54.08 318.79,56.1 318.29,56.6 305.79,56.6 301.9,52.71
rotory_1: length 42.2
  Top w0.25: U1.24 315.52,91.37 318.94,87.95 318.94,62.91 316.82,60.79 316.82,54.58
rotory_2: length 41.4
  Top w0.25: SW1.B 311.82,56.42 318.49,63.09 318.49,85.8 315.46,88.83 U1.23
row_1: length 363.2
  Top w0.25: v1(308.79,52.6) 308.79,54.03 317.99,63.23 317.99,82.45 315.44,85 308.9,85 306.41,87.49 301.06,87.49 U1.1 284.09,91.37 D14.1 281.22,88.5 266.01,88.5 264.26,90.25 248.05,90.25 ; D1.1 25.7,90.65 27.85,88.5 35.95,88.5 D2.1 44.73,90.65 46.87,88.5 55,88.5 D3.1 63.8,90.65 65.95,88.5 74.05,88.5 D4.1 82.84,90.65 84.99,88.5 93.1,88.5 D5.1 101.95,90.65 104.1,88.5 112.15,88.5 D6.1 120.93,90.65 123.08,88.5 131.2,88.5 D7.1 140.01,90.65 142.15,88.5 150.25,88.5 D8.1 159.02,90.65 161.17,88.5 169.3,88.5 D9.1 178.11,90.65 180.25,88.5 188.35,88.5 D10.1 197.18,90.65 199.33,88.5 207.4,88.5 D11.1 216.2,90.65 218.35,88.5 226.45,88.5 D12.1 235.23,90.65 237.38,88.5 245.5,88.5 D13.1
  Bottom w0.25: D15.1 308.74,52.55 v1(308.79,52.6)
row_2: length 344.8
  Top w0.25: D16.1 D29.1 ; U1.15 315.49,68.51 316.15,67.85 316.15,63.96 308.19,56 290.7,56 287.25,52.55 D30.1 285.75,68.84 280.59,74 259.58,74
row_3: length 356
  Top w0.25: D31.1 D44.1 240.89,52.93 240.89,47.24 242.73,45.4 ; U1.16 315.45,71.05 316.6,69.9 316.6,63.77 308.38,55.55 304.35,55.55 298.39,49.59 298.39,42.09 296.77,40.47 290.34,40.47 D45.1 275.22,35.88 272.99,38.1 250.19,38.1 D43.1
row_4: length 389.5
  Top w0.25: 304.8,35.72 304.8,38.4 302.79,40.41 302.79,48.94 303.81,49.95 305.45,49.95 306.79,51.29 306.79,53.3 317.05,63.56 317.05,72.03 315.49,73.59 U1.17 ; D59.1 285.75,27.82 282.62,30.96 261.24,30.96 259.09,33.1 245.66,33.1 242.89,35.88 D58.1 D49.1 59.53,33.5 59.53,26.19 57.15,23.81 45.24,23.81 42.86,26.19 ; 42.86,35.72 40.99,33.85 40.99,28.22 D47.1 ; 42.7,35.88 40.48,38.1 4.76,38.1 2.54,35.88 ; D60.1 302.42,33.5 302.42,26.19 300.04,23.81 288.13,23.81 285.75,26.19
row_5: length 392.3
  Top w0.25: D71.1 245.27,16.83 D68.1 185.9,21.43 ; D61.1 D63.1 71.6,16.83 76.2,21.43 107.81,21.43 110.19,19.05 D65.1 D66.1 ; 247.81,14.45 250.19,16.83 D74.1 304.8,23.81 306.9,25.91 306.9,37 303.24,40.66 303.24,48.75 303.99,49.5 305.64,49.5 307.24,51.11 307.24,53.11 317.5,63.37 317.5,74.1 315.47,76.13 U1.18 ; D67.1 157.32,14.45 164.31,21.43 185.74,21.43 ; 145.1,14.45 140.49,19.05 119.06,19.05 114.46,14.45
S2: length 19.9
  Bottom w0.25: 307.24,49.91 D15.2 304.8,45.18 307.11,42.86 313.99,42.86 SW1.S2
SCL: length 23.1
  Bottom w0.25: U1.19 303.53,69.78 DS1.3
SDA: length 26.7
  Bottom w0.25: 301,59.26 301,69.79 U1.20
Net-(D1-Pad2): length 6.8
  Bottom w0.25: MX1.2 19.05,87.12 D1.2
Net-(D2-Pad2): length 6.8
  Bottom w0.25: D2.2 38.1,87.12 MX2.2
Net-(D3-Pad2): length 6.8
  Bottom w0.25: MX3.2 57.15,87.12 D3.2
Net-(D4-Pad2): length 6.8
  Bottom w0.25: MX4.2 76.2,87.12 D4.2
Net-(D5-Pad2): length 6.8
  Bottom w0.25: MX5.2 95.25,87.12 D5.2
Net-(D6-Pad2): length 6.8
  Bottom w0.25: D6.2 114.3,87.12 MX6.2
Net-(D7-Pad2): length 6.8
  Bottom w0.25: D7.2 133.35,87.12 MX7.2
Net-(D8-Pad2): length 6.8
  Bottom w0.25: MX8.2 152.4,87.12 D8.2
Net-(D9-Pad2): length 6.8
  Bottom w0.25: D9.2 171.45,87.12 MX9.2
Net-(D10-Pad2): length 6.8
  Bottom w0.25: D10.2 190.5,87.12 MX10.2
Net-(D11-Pad2): length 6.8
  Bottom w0.25: D11.2 209.55,87.12 MX11.2
Net-(D12-Pad2): length 6.8
  Bottom w0.25: MX12.2 228.6,87.12 D12.2
Net-(D13-Pad2): length 6.8
  Bottom w0.25: MX13.2 247.65,87.12 D13.2
Net-(D14-Pad2): length 13
  Bottom w0.25: D14.2 277.78,85.57 MX14.2
Net-(D16-Pad2): length 4.5
  Bottom w0.25: D16.2 6.88,68.9
Net-(D17-Pad2): length 2.1
  Bottom w0.25: D17.2 30.7,68.9
Net-(D18-Pad2): length 2.1
  Bottom w0.25: D18.2 49.75,68.9
Net-(D19-Pad2): length 2.1
  Bottom w0.25: D19.2 68.8,68.9
Net-(D20-Pad2): length 2.1
  Bottom w0.25: D20.2 87.85,68.9
Net-(D21-Pad2): length 2.1
  Bottom w0.25: D21.2 106.9,68.9
Net-(D22-Pad2): length 2.1
  Bottom w0.25: D22.2 125.95,68.9
Net-(D23-Pad2): length 2.1
  Bottom w0.25: D23.2 145,68.9
Net-(D24-Pad2): length 2.1
  Bottom w0.25: D24.2 164.05,68.9
Net-(D25-Pad2): length 2.1
  Bottom w0.25: D25.2 183.1,68.9
Net-(D26-Pad2): length 2.1
  Bottom w0.25: D26.2 202.15,68.9
Net-(D27-Pad2): length 2.1
  Bottom w0.25: D27.2 221.2,68.9
Net-(D28-Pad2): length 2.1
  Bottom w0.25: D28.2 240.25,68.9
Net-(D29-Pad2): length 16.5
  Bottom w0.25: MX29.2 264.42,73.76 D29.2
Net-(D30-Pad2): length 3.5
  Bottom w0.25: D30.2 288.19,49.91
Net-(D31-Pad2): length 14.2
  Bottom w0.25: D31.2 4.5,49.85 ; MX75.2 4.82,45.19 7.46,42.54 MX31.2
Net-(D32-Pad2): length 2.1
  Bottom w0.25: D32.2 35.46,49.85
Net-(D33-Pad2): length 2.1
  Bottom w0.25: D33.2 54.51,49.85
Net-(D34-Pad2): length 2.1
  Bottom w0.25: D34.2 73.56,49.85
Net-(D35-Pad2): length 2.1
  Bottom w0.25: D35.2 92.61,49.85
Net-(D36-Pad2): length 2.1
  Bottom w0.25: D36.2 111.66,49.85
Net-(D37-Pad2): length 2.1
  Bottom w0.25: D37.2 130.71,49.85
Net-(D38-Pad2): length 2.1
  Bottom w0.25: D38.2 149.76,49.85
Net-(D39-Pad2): length 2.1
  Bottom w0.25: D39.2 168.81,49.85
Net-(D40-Pad2): length 2.1
  Bottom w0.25: D40.2 187.86,49.85
Net-(D41-Pad2): length 2.1
  Bottom w0.25: D41.2 206.91,49.85
Net-(D42-Pad2): length 2.1
  Bottom w0.25: D42.2 225.96,49.85
Net-(D43-Pad2): length 6.8
  Bottom w0.25: D43.2 249.66,40.32
Net-(D44-Pad2): length 36.5
  Bottom w0.25: MX76.2 263.02,62.99 259.24,59.21 MX44.2 256.27,50.5 251.09,50.5 248.22,47.62 245.11,47.62 D44.2
Net-(D45-Pad2): length 2.1
  Bottom w0.25: D45.2 287.87,30.8
Net-(D46-Pad2): length 21.2
  Bottom w0.25: 6.06,23.5 2.38,27.18 D46.2 3.28,31.7 13.13,31.7 14.03,30.8
Net-(D47-Pad2): length 56.3
  Bottom w0.25: 27.5,23.5 23.81,19.81 23.81,7.14 26.19,4.76 42.86,4.76 45.09,6.99 45.09,19.05 D47.2
Net-(D48-Pad2): length 2.1
  Bottom w0.25: D48.2 44.98,30.8
Net-(D49-Pad2): length 2.1
  Bottom w0.25: D49.2 64.03,30.8
Net-(D50-Pad2): length 2.1
  Bottom w0.25: D50.2 83.09,30.8
Net-(D51-Pad2): length 2.1
  Bottom w0.25: D51.2 102.14,30.8
Net-(D52-Pad2): length 2.1
  Bottom w0.25: D52.2 121.19,30.8
Net-(D53-Pad2): length 2.1
  Bottom w0.25: D53.2 140.24,30.8
Net-(D54-Pad2): length 2.1
  Bottom w0.25: D54.2 159.28,30.8
Net-(D55-Pad2): length 2.1
  Bottom w0.25: D55.2 178.34,30.8
Net-(D56-Pad2): length 2.1
  Bottom w0.25: D56.2 197.39,30.8
Net-(D57-Pad2): length 2.1
  Bottom w0.25: D57.2 216.44,30.8
Net-(D58-Pad2): length 27.9
  Bottom w0.25: 240.51,30.96 240.51,27.18 244.19,23.5 ; 252.47,31.01 233.58,31.01
Net-(D59-Pad2): length 5.8
  Bottom w0.25: D59.2 283.31,23.71 MX59.2
Net-(D60-Pad2): length 2
  Bottom w0.25: 304.8,30.64 306.76,30.64
Net-(D61-Pad2): length 2.1
  Bottom w0.25: D61.2 4.5,11.75
Net-(D62-Pad2): length 2.1
  Bottom w0.25: D62.2 28.32,11.75
Net-(D63-Pad2): length 4.5
  Bottom w0.25: D63.2 52.13,11.75
Net-(D64-Pad2): length 14
  Bottom w0.25: D64.2 85.47,11.75
Net-(D65-Pad2): length 10
  Bottom w0.25: MX65.2 112.89,12.06 D65.2
Net-(D66-Pad2): length 12.9
  Bottom w0.25: MX66.2 119.22,4.44 D66.2
Net-(D67-Pad2): length 13.1
  Bottom w0.25: D67.2 154.52,9.37 MX67.2
Net-(D68-Pad2): length 2.1
  Bottom w0.25: D68.2 192.62,11.75
Net-(D69-Pad2): length 2.1
  Bottom w0.25: D69.2 211.67,11.75
Net-(D70-Pad2): length 2.1
  Bottom w0.25: D70.2 230.72,11.75
Net-(D71-Pad2): length 3.5
  Bottom w0.25: D71.2 250.09,11.81
Net-(D72-Pad2): length 2.1
  Bottom w0.25: D72.2 268.82,11.75
Net-(D73-Pad2): length 2.1
  Bottom w0.25: D73.2 287.87,11.75
Net-(D74-Pad2): length 2.1
  Bottom w0.25: D74.2 306.92,11.75

## Copper pours and planes (outline as drawn; the poured copper is in the pictures)
GND on Top: 323.85,0 0,0 0,95.25 323.85,95.25
GND on Bottom: 323.85,0 0,0 0,95.25 323.85,95.25

## Text on the board
B.Mask: Designed by Mingze Jin
F.Mask: Standard | 1.25u | 6.25u | Designed by Mingze Jin
